# KiCad board Dashboard.kicad_pcb (continued)
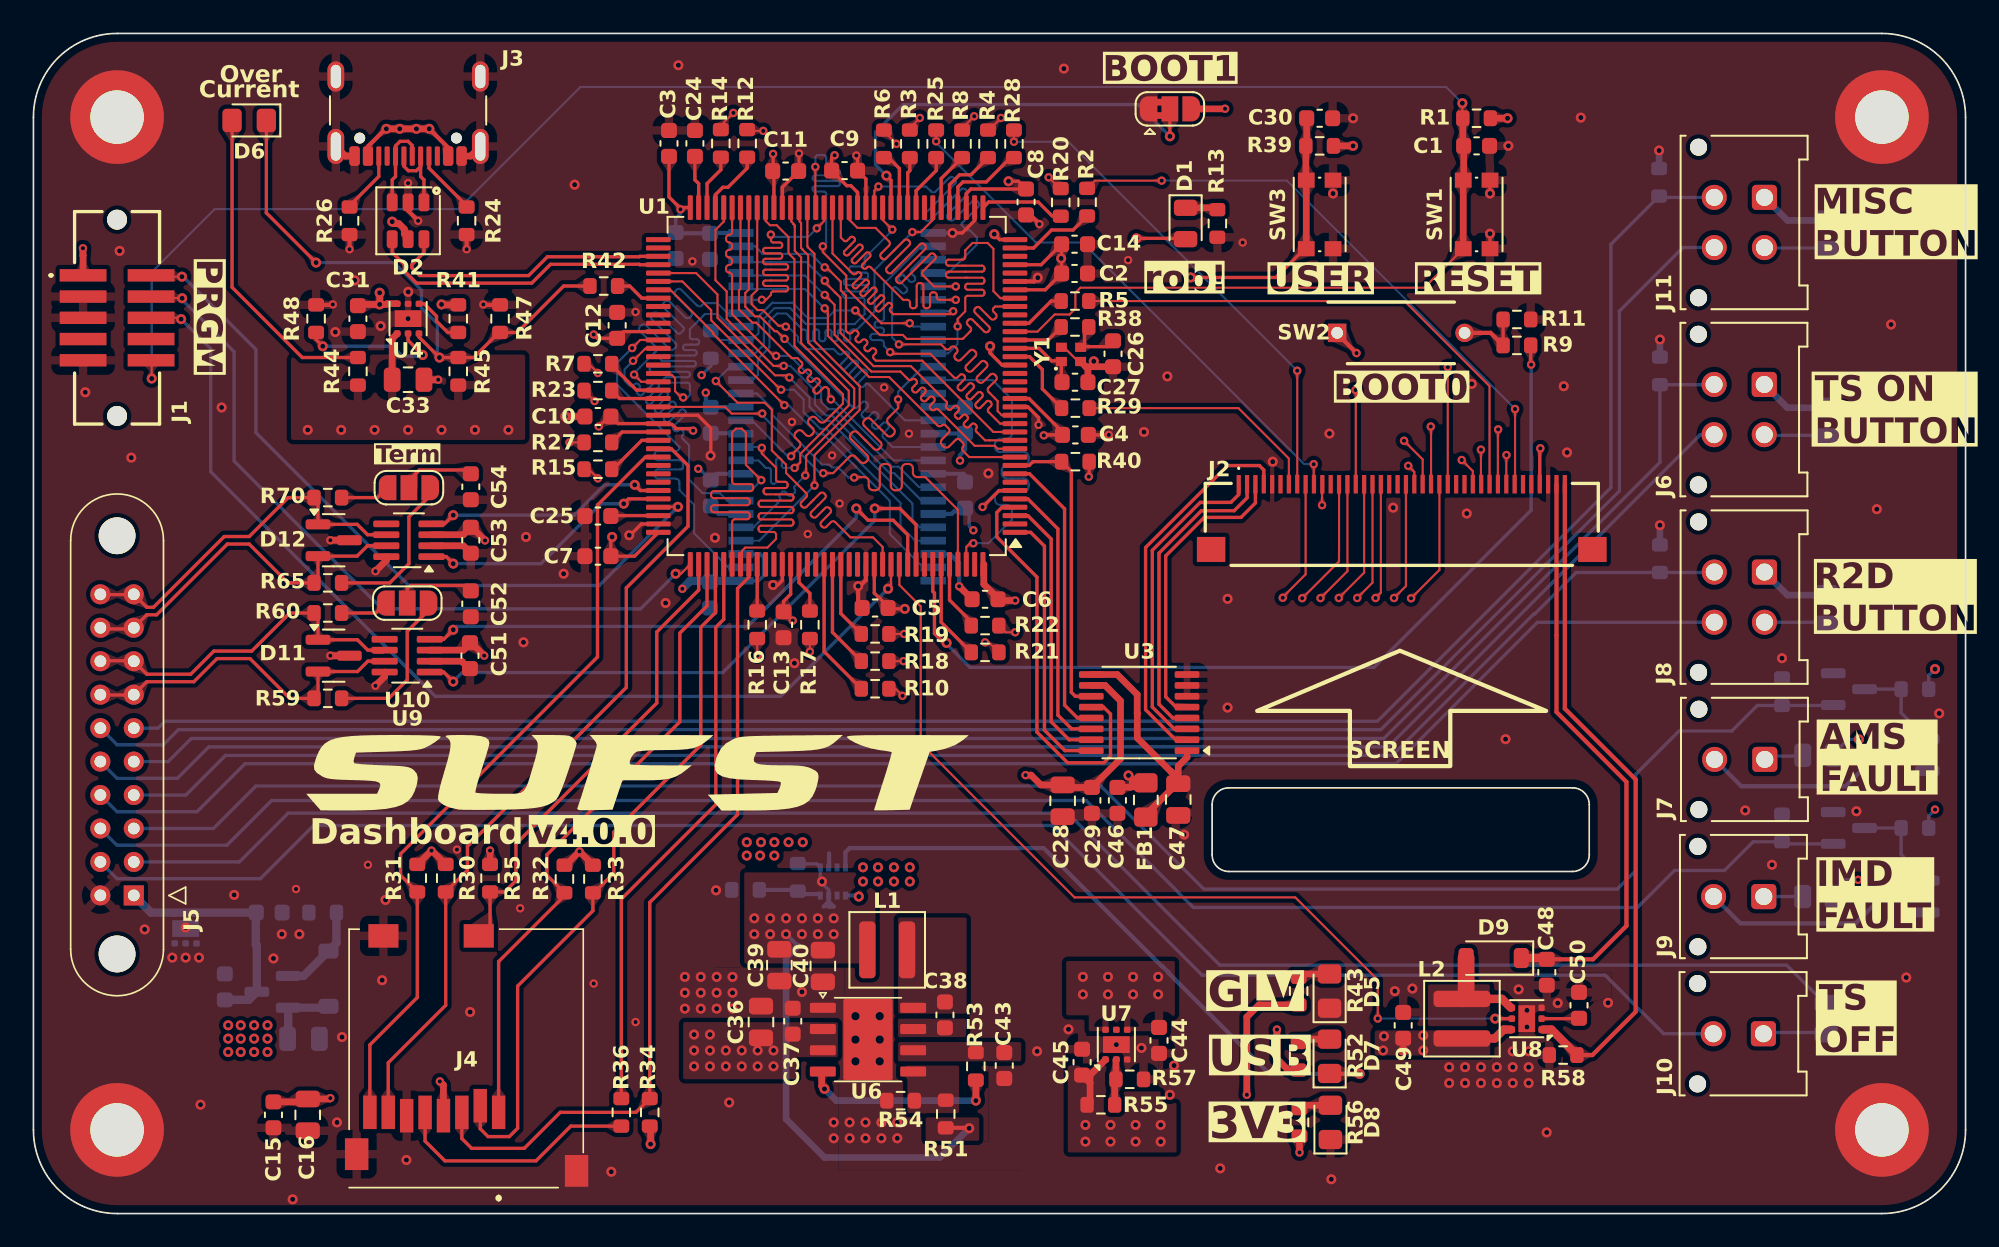
[diagram p0: board, top side]
## Footprints (pads in the part's own frame, mm; a bottom-side part is the same pattern mirrored in y, then rotated) (continued)
M80-5102042
  round 2.2 hole 2.2 unplated: (-3.5,1) (21.5,1)
  rect 1.2x1.2 hole 0.7: 1(0,0)
  round 1.2 hole 0.7: 2(2,0) 3(4,0) 4(6,0) 5(8,0) 6(10,0) 7(12,0) 8(14,0) 9(16,0) 10(18,0) 11(0,2) 12(2,2) 13(4,2) 14(6,2) 15(8,2) 16(10,2) 17(12,2) 18(14,2) 19(16,2) 20(18,2)
MEM20610118800A
  rect 1.8x1.4 smd: CD1(6.51,10.55) CD2(0.81,10.55)
  rect 1.4x1.9 smd: G1(12.36,-3.5) G2(-0.79,-2.5)
  rect 0.8x2 smd: P1(7.7,0) P2(6.6,0.4) P3(5.5,0) P4(4.4,-0.2) P5(3.3,0) P6(2.2,-0.2) P7(1.1,0) P8(0,0)
Molex_Micro-Fit_3.0_43045-0212_2x01_P3.00mm_Vertical
  round 1.02 hole 1.02 unplated: (-3,-3.94) (3,-3.94)
  rrect 1.5x1.5 hole 1.02: 1(0,0)
  round 1.5 hole 1.02: 2(0,-3)
Molex_Micro-Fit_3.0_43045-0412_2x02_P3.00mm_Vertical
  round 1.02 hole 1.02 unplated: (-3,-3.94) (6,-3.94)
  rrect 1.5x1.5 hole 1.02: 1(0,0)
  round 1.5 hole 1.02: 2(3,0) 3(0,-3) 4(3,-3)
MountingHole_3.2mm_M3_DIN965_Pad_TopBottom
  round 3.6 hole 3.2: 1(0,0)
  round 5.6 smd: 1(0,0)
  round 5.6 smd far side: 1(0,0)
R_0603_1608Metric
  rrect 0.8x0.95 smd: 1(-0.825,0) 2(0.825,0)
R_0805_2012Metric
  rrect 1.025x1.4 smd: 1(-0.912,0) 2(0.912,0)
Resonator_SMD_ECS_ECX-1247Q_1.6x1.2x0.3mm
  rect 0.65x0.55 smd: 1(-0.575,-0.425) 2(0.575,-0.425) 3(0.575,0.425) 4(-0.575,0.425)
SHF10501LDSMLC
  round 1.19 hole 1.19 unplated: (-5.867,0) (5.867,0)
  rect 0.74x2.795 smd: 1(-2.54,-2.033) 2(-2.54,2.033) 3(-1.27,-2.033) 4(-1.27,2.033) 5(0,-2.033) 6(0,2.033) 7(1.27,-2.033) 8(1.27,2.033) 9(2.54,-2.033) 10(2.54,2.033)
SolderJumper-3_P1.3mm_Bridged2Bar12_RoundedPad1.0x1.5mm
  custom 1.05x1.5 smd: 1(-1.3,0) 3(1.3,0)
  rect 1x1.5 smd: 2(0,0)
SolderJumper-3_P1.3mm_Open_RoundedPad1.0x1.5mm
  custom 1.05x1.5 smd: 1(-1.3,0) 3(1.3,0)
  rect 1x1.5 smd: 2(0,0)
SOT-23
  rrect 1.475x0.6 smd: 1(-0.938,0.95) 2(-0.938,-0.95) 3(0.938,0)
SOT-23-6
  rrect 1.06x0.65 smd: 1(-1.1,0.95) 2(-1.1,0) 3(-1.1,-0.95) 4(1.1,-0.95) 5(1.1,0) 6(1.1,0.95)
SOT-23-8_Handsoldering
  rrect 1.56x0.4 smd: 1(-1.35,0.98) 2(-1.35,0.33) 3(-1.35,-0.33) 4(-1.35,-0.98) 5(1.35,-0.98) 6(1.35,-0.33) 7(1.35,0.33) 8(1.35,0.98)
SOTFL50P160X60-8N
  rect 0.475x0.3 smd: 1(-0.838,0.75) 2(-0.838,0.25) 3(-0.838,-0.25) 4(-0.838,-0.75) 5(0.838,-0.75) 6(0.838,-0.25) 7(0.838,0.25) 8(0.838,0.75)
SW_Push_1P1T_NO_CK_KMR2
  rect 0.9x1 smd: 1(-2.05,0.8) 1(2.05,0.8) 2(-2.05,-0.8) 2(2.05,-0.8)
TSOP-II-54_22.2x10.16mm_P0.8mm
  rect 1.51x0.458 smd: 1(-5.75,10.4) 2(-5.75,9.6) 3(-5.75,8.8) 4(-5.75,8) 5(-5.75,7.2) 6(-5.75,6.4) 7(-5.75,5.6) 8(-5.75,4.8) 9(-5.75,4) 10(-5.75,3.2) 11(-5.75,2.4) 12(-5.75,1.6) 13(-5.75,0.8) 14(-5.75,0) 15(-5.75,-0.8) 16(-5.75,-1.6) 17(-5.75,-2.4) 18(-5.75,-3.2) 19(-5.75,-4) 20(-5.75,-4.8) 21(-5.75,-5.6) 22(-5.75,-6.4) 23(-5.75,-7.2) 24(-5.75,-8) 25(-5.75,-8.8) 26(-5.75,-9.6) 27(-5.75,-10.4) 28(5.75,-10.4) 29(5.75,-9.6) 30(5.75,-8.8) 31(5.75,-8) 32(5.75,-7.2) 33(5.75,-6.4) 34(5.75,-5.6) 35(5.75,-4.8) 36(5.75,-4) 37(5.75,-3.2) 38(5.75,-2.4) 39(5.75,-1.6) 40(5.75,-0.8) 41(5.75,0) 42(5.75,0.8) 43(5.75,1.6) 44(5.75,2.4) 45(5.75,3.2) 46(5.75,4) 47(5.75,4.8) 48(5.75,5.6) 49(5.75,6.4) 50(5.75,7.2) 51(5.75,8) 52(5.75,8.8) 53(5.75,9.6) 54(5.75,10.4)
TSSOP-16_4.4x5mm_P0.65mm
  rrect 1.475x0.4 smd: 1(-2.862,2.275) 2(-2.862,1.625) 3(-2.862,0.975) 4(-2.862,0.325) 5(-2.862,-0.325) 6(-2.862,-0.975) 7(-2.862,-1.625) 8(-2.862,-2.275) 9(2.862,-2.275) 10(2.862,-1.625) 11(2.862,-0.975) 12(2.862,-0.325) 13(2.862,0.325) 14(2.862,0.975) 15(2.862,1.625) 16(2.862,2.275)
USB_C_Receptacle_GCT_USB4105-xx-A_16P_TopMnt_Horizontal
  round 0.65 hole 0.65 unplated: (-2.89,2.605) (2.89,2.605)
  rrect 0.6x1.15 smd: A1(-3.2,3.68) A4(-2.4,3.68) A9(2.4,3.68) A12(3.2,3.68) B1(3.2,3.68) B4(2.4,3.68) B9(-2.4,3.68) B12(-3.2,3.68)
  rrect 0.3x1.15 smd: A5(-1.25,3.68) A6(-0.25,3.68) A7(0.25,3.68) A8(1.25,3.68) B5(1.75,3.68) B6(0.75,3.68) B7(-0.75,3.68) B8(-1.75,3.68)
  oval 1x2.1 hole 0.6x1.7: S1(-4.32,3.105) S1(4.32,3.105)
  oval 1x1.8 hole 0.6x1.4: S1(-4.32,-1.075) S1(4.32,-1.075)
WSON-6-1EP_2x2mm_P0.65mm_EP1x1.6mm
  rrect 0.81x0.64 smd: (0,0.4) (0,-0.4)
  rrect 0.375x0.4 smd: 1(-0.887,0.65) 2(-0.887,0) 3(-0.887,-0.65) 4(0.887,-0.65) 5(0.887,0) 6(0.887,0.65)
  rect 1x1.6 smd: 7(0,0)
XF2M40151A
  rect 0.25x1.1 smd: 1(-9.75,2.4) 2(-9.25,2.4) 3(-8.75,2.4) 4(-8.25,2.4) 5(-7.75,2.4) 6(-7.25,2.4) 7(-6.75,2.4) 8(-6.25,2.4) 9(-5.75,2.4) 10(-5.25,2.4) 11(-4.75,2.4) 12(-4.25,2.4) 13(-3.75,2.4) 14(-3.25,2.4) 15(-2.75,2.4) 16(-2.25,2.4) 17(-1.75,2.4) 18(-1.25,2.4) 19(-0.75,2.4) 20(-0.25,2.4) 21(0.25,2.4) 22(0.75,2.4) 23(1.25,2.4) 24(1.75,2.4) 25(2.25,2.4) 26(2.75,2.4) 27(3.25,2.4) 28(3.75,2.4) 29(4.25,2.4) 30(4.75,2.4) 31(5.25,2.4) 32(5.75,2.4) 33(6.25,2.4) 34(6.75,2.4) 35(7.25,2.4) 36(7.75,2.4) 37(8.25,2.4) 38(8.75,2.4) 39(9.25,2.4) 40(9.75,2.4)
  rect 1.7x1.5 smd: MP1(-11.4,-1.5) MP2(11.4,-1.5)

## Nets
+3.3VA: C47.1 FB1.2 U3.1 U3.9
+3V3: C2.1 C3.1 C4.1 C5.1 C6.1 C7.1 C8.1 C9.1 C10.1 C11.1 C12.1 C13.1 C14.1 C15.1 C16.1 C17.2 C18.1 C19.1 C20.1 C21.1 C22.1 C23.2 C28.1 C29.1 C45.1 C46.1 C51.2 C53.2 FB1.1 J1.1 J2.37 J4.P4 JP3.3 R1.2 R30.2 R31.2 R32.2 R33.2 R34.2 R35.2 R37.2 R39.2 R40.2 R55.1 R56.1 SW2.1 U1.6 U1.17 U1.30 U1.33 U1.39 U1.52 U1.62 U1.72 U1.84 U1.95 U1.108 U1.121 U1.131 U1.144 U2.1 U2.3 U2.9 U2.14 U2.27 U2.43 U2.49 U3.10 U7.1 U9.3 U10.3
+5V: C44.1 C49.1 L2.1 R52.1 U5.2 U5.7 U7.4 U7.6 U8.6
+5V_REG: C39.1 C40.1 L1.2 R49.2 R51.2 U5.3 U5.5
+5V_USB: C31.1 D2.5 J3.A4 J3.A9 J3.B4 J3.B9 R41.2 U4.6
+5V_USB_PROT: C33.1 R44.1 R45.1 U4.1 U5.6
/Power/VCC: C43.1 R53.2 U6.6
GND: C1.1 C2.2 C3.2 C4.2 C5.2 C6.2 C7.2 C8.2 C9.2 C10.2 C11.2 C12.2 C13.2 C14.2 C15.2 C16.2 C17.1 C18.2 C19.2 C20.2 C21.2 C22.2 C23.1 C24.2 C25.2 C26.2 C27.2 C28.2 C29.2 C30.1 C31.2 C32.2 C33.2 C34.2 C35.2 C36.2 C37.2 C39.2 C40.2 C43.2 C44.2 C45.2 C46.2 C47.2 C48.2 C49.2 C50.2 C51.1 C52.2 C53.1 C54.2 D2.2 D5.1 D8.1 D11.3 D12.3 H1.1 H2.1 H3.1 H4.1 J1.3 J1.5 J1.9 J2.5 J2.38 J3.A1 J3.A12 J3.B1 J3.B12 J3.S1 J4.CD2 J4.G1 J4.G2 J4.P6 J5.11 JP3.1 Q2.2 Q3.2 Q4.2 Q5.2 R11.2 R13.2 R24.1 R26.1 R46.1 R47.2 R48.1 R50.1 R54.1 R57.2 R58.2 R63.2 R64.2 R73.1 R74.1 R75.1 SW1.2 SW3.2 U1.16 U1.31 U1.38 U1.51 U1.61 U1.83 U1.94 U1.107 U1.120 U1.130 U2.6 U2.12 U2.28 U2.41 U2.46 U2.52 U2.54 U3.6 U3.7 U3.8 U4.5 U4.7 U5.1 U6.1 U6.TP U7.3 U7.7 U8.3 U8.7 U9.2 U9.8 U10.2 U10.8 U11.1 U11.2 U11.3 U11.7 Y1.2 Y1.4
+GLV: C34.1 C35.1 J5.1 Q1.3 U11.4 U11.5 U11.6
+GLV_PROT: C32.1 C36.1 C37.1 D3.1 J6.1 J8.1 J11.1 Q1.2 R43.1 R61.1 R62.1 R66.1 R67.1 R68.1 R69.1 R72.1 U6.2 U6.3
/I/O/AMS.LED.SIG: J5.3 Q4.1 R63.1
/I/O/AMS_LED_SCS: J7.2 Q2.3
/I/O/CAN1_RX: U1.103 U10.4
/I/O/CAN1_TX: U1.104 U10.1
/I/O/CAN2_RX: U1.135 U9.4
/I/O/CAN2_TX: U1.136 U9.1
/I/O/CAN.C+: D11.2 J5.7 J5.17 R59.2 U9.7
/I/O/CAN.C-: D11.1 J5.8 J5.18 R60.1 U9.6
/I/O/CAN.F+: D12.2 J5.9 J5.19 R65.2 U10.7
/I/O/CAN.F-: D12.1 J5.10 J5.20 R70.1 U10.6
/I/O/IMD.LED.SIG: J5.13 Q5.1 R64.1
/I/O/IMD_LED_SCS: J9.2 Q3.3
/I/O/R2D.BUTTON.GND: J5.4 J8.3 R74.2
/I/O/R2D.LED.GND: J5.14 J8.4
/I/O/SPARE.BUTTON.GND: J5.6 J11.3 R75.2
/I/O/SPARE.LED.GND: J5.16 J11.4
/I/O/TS.ON.BUTTON.GND: J5.5 J6.3 R73.2
/I/O/TS.ON.LED.GND: J5.15 J6.4
/I/O/TSAL.DASH.EXC: J5.2 R71.1
/I/O/TSAL.GREEN.DASH.LED.GND: J5.12 J10.2
/MCU/BOOT0: R9.1 U1.138
/MCU/BOOT1: JP3.2 U1.48
/MCU/LCD_B2: R17.1 U1.122
/MCU/LCD_B3: R18.1 U1.126
/MCU/LCD_B4: R19.1 U1.127
/MCU/LCD_B5: R20.1 U1.37
/MCU/LCD_B6: R21.1 U1.139
/MCU/LCD_B7: R22.1 U1.140
/MCU/LCD_DCLK: R23.1 U1.92
/MCU/LCD_DE: R29.1 U1.22
/MCU/LCD_DISP: R25.1 U1.45
/MCU/LCD_G2: R8.1 U1.42
/MCU/LCD_G3: R10.1 U1.125
/MCU/LCD_G4: R12.1 U1.69
/MCU/LCD_G5: R14.1 U1.70
/MCU/LCD_G6: R15.1 U1.97
/MCU/LCD_G7: R16.1 U1.117
/MCU/LCD_HSYNC: R27.1 U1.96
/MCU/LCD_R2: R2.1 U1.35
/MCU/LCD_R3: R3.1 U1.46
/MCU/LCD_R4: R4.1 U1.41
/MCU/LCD_R5: R5.1 U1.26
/MCU/LCD_R6: R6.1 U1.47
/MCU/LCD_R7: R7.1 U1.91
/MCU/LCD_VSYNC: R28.1 U1.40
/MCU/LCD_XL: J2.2 U3.4
/MCU/LCD_XR: J2.4 U3.2
/MCU/LCD_YD: J2.3 U3.5
/MCU/LCD_YU: J2.1 U3.3
/MCU/nRESET: C1.2 J1.10 R1.1 SW1.1 U1.25
/MCU/OSC_IN: C27.1 U1.23 Y1.1
/MCU/OSC_OUT: R38.1 U1.24
/MCU/RAM_A0: U1.10 U2.23
/MCU/RAM_A1: U1.11 U2.24
/MCU/RAM_A2: U1.12 U2.25
/MCU/RAM_A3: U1.13 U2.26
/MCU/RAM_A4: U1.14 U2.29
/MCU/RAM_A5: U1.15 U2.30
/MCU/RAM_A6: U1.50 U2.31
/MCU/RAM_A7: U1.53 U2.32
/MCU/RAM_A8: U1.54 U2.33
/MCU/RAM_A9: U1.55 U2.34
/MCU/RAM_A10: U1.56 U2.22
/MCU/RAM_A11: U1.57 U2.35
/MCU/RAM_BA0: U1.89 U2.20
/MCU/RAM_BA1: U1.90 U2.21
/MCU/RAM_CAS: U1.132 U2.17
/MCU/RAM_CKE: U1.29 U2.37
/MCU/RAM_CLK: U1.93 U2.38
/MCU/RAM_CS/NE: R37.1 U1.28 U2.19
/MCU/RAM_D0: U1.85 U2.2
/MCU/RAM_D1: U1.86 U2.7
/MCU/RAM_D2: U1.114 U2.8
/MCU/RAM_D3: U1.115 U2.11
/MCU/RAM_D4: U1.58 U2.4
/MCU/RAM_D5: U1.59 U2.5
/MCU/RAM_D6: U1.60 U2.10
/MCU/RAM_D7: U1.63 U2.13
/MCU/RAM_D8: U1.64 U2.42
/MCU/RAM_D9: U1.65 U2.44
/MCU/RAM_D10: U1.66 U2.45
/MCU/RAM_D11: U1.67 U2.47
/MCU/RAM_D12: U1.68 U2.48
/MCU/RAM_D13: U1.77 U2.50
/MCU/RAM_D14: U1.78 U2.51
/MCU/RAM_D15: U1.79 U2.53
/MCU/RAM_NBL0: U1.141 U2.15
/MCU/RAM_NBL1: U1.142 U2.39
/MCU/RAM_RAS: U1.49 U2.18
/MCU/RAM_WE: U1.43 U2.16
/MCU/rob_led!: D1.2 U1.36
/MCU/SD_CARD_DETECT: J4.CD1 R35.1 U1.110
/MCU/SD_CK: R36.2 U1.113
/MCU/SD_CMD: J4.P3 R34.1 U1.116
/MCU/SD_D0: J4.P7 R30.1 U1.98
/MCU/SD_D1: J4.P8 R31.1 U1.99
/MCU/SD_D2: J4.P1 R32.1 U1.111
/MCU/SD_D3: J4.P2 R33.1 U1.112
/MCU/SPI_CS: U1.3 U3.15
/MCU/SPI_MISO: U1.4 U3.12
/MCU/SPI_MOSI: U1.5 U3.14
/MCU/SPI_SCK: U1.1 U3.16
/MCU/SWCLK: J1.4 U1.109
/MCU/SWDIO: J1.2 U1.105
/MCU/SWO: J1.6 U1.133
/MCU/TOUCH_BUSY: U1.8 U3.13
/MCU/TOUCH_IRQ: R40.1 U1.9 U3.11
/MCU/USB_D+: D2.4 U1.76
/MCU/USB_D-: D2.6 U1.75
/MCU/user_button: C30.2 R39.1 SW3.1 U1.21
/Power/FAULT_LED: D6.1 R42.2 R45.2 R47.1 U4.3
/Power/FB: R51.1 R54.2 U6.5
/Power/SW: C38.2 L1.1 U6.8
/Power/USB_LED: D7.1 U5.8
BACKLIGHT_A: C48.1 D9.1 J2.39
BACKLIGHT_K: J2.40 R58.1 U8.1
BACKLIGHT_PWM: U1.134 U8.5
~{USB_FAULT}: R42.1 U1.80
Net-(C26-Pad1): C26.1 R38.2 Y1.3
Net-(D1-K): D1.1 R13.1
Net-(D2-L1-Pad1): D2.1 J3.A7 J3.B7
Net-(D2-L2-Pad3): D2.3 J3.A6 J3.B6
Net-(D3-A): D3.2 Q1.1 R46.2
Net-(D5-A): D5.2 R43.2
Net-(D6-A): D6.2 R44.2
Net-(D7-A): D7.2 R52.2
Net-(D8-A): D8.2 R56.2
Net-(D9-A): D9.2 L2.2 U8.4
Net-(J2-Pin_7): J2.7 R29.2
Net-(J2-Pin_8): J2.8 R28.2
Net-(J2-Pin_9): J2.9 R27.2
Net-(J2-Pin_10): J2.10 R25.2
Net-(J2-Pin_11): J2.11 R23.2
Net-(J2-Pin_13): J2.13 R22.2
Net-(J2-Pin_14): J2.14 R21.2
Net-(J2-Pin_15): J2.15 R20.2
Net-(J2-Pin_16): J2.16 R19.2
Net-(J2-Pin_17): J2.17 R18.2
Net-(J2-Pin_18): J2.18 R17.2
Net-(J2-Pin_21): J2.21 R16.2
Net-(J2-Pin_22): J2.22 R15.2
Net-(J2-Pin_23): J2.23 R14.2
Net-(J2-Pin_24): J2.24 R12.2
Net-(J2-Pin_25): J2.25 R10.2
Net-(J2-Pin_26): J2.26 R8.2
Net-(J2-Pin_29): J2.29 R7.2
Net-(J2-Pin_30): J2.30 R6.2
Net-(J2-Pin_31): J2.31 R5.2
Net-(J2-Pin_32): J2.32 R4.2
Net-(J2-Pin_33): J2.33 R3.2
Net-(J2-Pin_34): J2.34 R2.2
Net-(J3-CC1): J3.A5 R24.2
Net-(J3-CC2): J3.B5 R26.2
Net-(J4-CLK): J4.P5 R36.1
Net-(J6-Pin_2): J6.2 R66.2
Net-(J7-Pin_1): J7.1 R67.2
Net-(J8-Pin_2): J8.2 R69.2
Net-(J9-Pin_1): J9.1 R68.2
Net-(J10-Pin_1): J10.1 R71.2
Net-(J11-Pin_2): J11.2 R72.2
Net-(JP1-A): JP1.1 R60.2
Net-(JP1-B): JP1.3 R59.1
Net-(JP1-C): C52.1 JP1.2
Net-(JP2-A): JP2.1 R70.2
Net-(JP2-B): JP2.3 R65.1
Net-(JP2-C): C54.1 JP2.2
Net-(Q2-G): Q2.1 Q4.3 R61.2
Net-(Q3-G): Q3.1 Q5.3 R62.2
Net-(SW2-B): R9.2 R11.1 SW2.2
Net-(U1-VCAP_1): C24.1 U1.71
Net-(U1-VCAP_2): C25.1 U1.106
Net-(U4-EN): R41.1 U4.4
Net-(U4-ILIM): R48.2 U4.2
Net-(U5-PR1): R49.1 R50.2 U5.4
Net-(U6-BOOT): C38.1 U6.7
Net-(U7-FB): R55.2 R57.1 U7.2
Net-(U8-COMP): C50.1 U8.2

Pads without a net: J1 7 8; J2 6 12 19 20 27 28 35 36 MP1 MP2; J3 A8 B8; R53 1; U1 2 7 18 19 20 27 32 34 44 73 74 81 82 87 88 100 101 102 118 119 123 124 128 129 137 143; U2 36 40; U6 4; U7 5; U9 5; U10 5

## Via types
v1: diameter 0.6, hole 0.3, Top to Bottom, 264 vias
v2: diameter 0.5, hole 0.25, Top to Bottom, 158 vias
v3: diameter 0.8, hole 0.5, Top to Bottom, 6 vias

## Routing (per net, layer and track width the routed paths; a pad name or vN(x,y) marks a point on that pad's centre or on a via; arc(x,y) is an arc through that point)
+3.3VA: length 15.3
  Top w0.4: 68.97,27.38 68.97,27.27 68.45,26.75 C47.1 68.24,25.91 68.24,26.19 68.03,26.41 68.03,26.42 ; FB1.2 66.51,23.84 68.01,25.34 68.01,25.55 68.45,25.99 66,28.44 66,29.91 66,29.91 66,31.03 64.8,32.22 U3.9
  Top w0.5: 68.01,25.46 68.01,25.55
+3V3: length 136.9
  Top w0.2: 58.71,48.75 U1.17 59.53,48.72 61.53,46.72 C4.1 60.44,46.55 v2(60.41,46.52) ; U1.33 60.25,56.72 C14.1 C2.1 60.5,55.22 U1.30 ; U1.39 55.78,60.97 56.05,61.25 C8.1 58.89,61.71 v1(58.3,61.71) ; U1.52 49.28,61.05 48.88,61.45 48.62,61.45 C9.1 47.72,63.11 47.73,63.11 47.75,63.11 v2(47.9,63.27) ; U1.62 44.28,62.25 C11.1 44.22,62.35 v2(44.22,63.35) ; v2(45.4,35.45) 45.38,35.45 C13.1 44.85,36.6 45.28,37.02 U1.121 ; v2(56.75,42.24) 57.74,43.22 U1.6 ; R40.2 63.12,44.07 v2(63.1,44.05) ; v2(90.1,45.75) 90.06,45.71 J2.37 ; U1.72 38.79,60.14 v2(38.69,60.04) 38.69,60.09 38,60.77 38,63.22 ; v2(33.5,52.55) 33.75,52.3 33.9,52.3 33.93,52.32 C12.1 35.3,52.72 U1.84 ; 45.23,36.2 45,35.97 ; v1(34.6,40.45) 34.53,40.38 C7.1 35.94,39.3 U1.108 ; v2(39.44,46.8) 39.42,46.8 39.3,46.92 38.4,46.92 38.4,46.96 38.18,47.18 37.41,47.18 U1.95 34.95,47.22 C10.1 34.4,47.65 v2(33.8,47.05) ; U1.131 50.28,37.1 51.1,36.27 C5.1 51.15,36.15 v1(52.1,36.15)
  Top w0.254: v2(79.11,51.44) 77.95,52.6 SW2.1
  Top w0.4: C15.1 16.23,6.67 C16.1 17.7,6.85 v2(17.75,6.9) ; J1.1 2.97,57.27 2.96,57.27 v2(2.96,57.71) ; R31.2 22.97,20.88 v2(23.8,21.7) 23.83,21.7 R30.2 ; 65.58,25.49 64.8,25.49 ; 65.58,25.49 65.7,25.61 65.7,25.96 v1(65.47,26.19) ; 65.58,25.49 65.6,25.51 66.51,25.51 ; v2(59.32,26.21) 59.65,26.21 60.24,25.62 C28.1 61.69,25.47 C29.1 65,27.19 65,30.65 64.08,31.57 U3.10 ; v2(71.25,66.05) 71.24,66.04 JP3.3 ; v1(78.91,63.83) R39.2 ; v2(58.7,36.65) 57.8,36.65 56.83,37.62 56.83,38.81 ; 75.7,4.62 v2(75.7,3.65) ; v2(26.95,33.35) 26.22,34.08 26.1,34.08 25.71,33.68 U9.3 ; 87.12,65.48 v1(88.14,65.48) ; 63.18,7.8 63.18,6.68 R55.1 ; 63.18,7.8 63.18,8.27 64.1,9.2 ; 63.18,7.8 C45.1 ; R33.2 33.45,20.85 v2(32.65,21.65) 31.83,20.82 R32.2 ; v2(27.3,21.7) R35.2 ; v2(27,40.24) 26.21,41.03 C53.2 25.71,40.58 U10.3 ; v2(24.3,7.9) 24.52,7.68 J4.P4 ; v1(36.9,4.15) 36.9,5.17 R34.2
  Bottom w0.2: v2(39.95,50.12) 40.5,50.67 40.5,51.12 ; v2(56.2,40.85) 55.95,41.1 55.95,42.15 ; U2.1 43.35,37.82 43.65,38.12 43.65,39.22 43.45,39.42 U2.3 ; C20.1 39.83,44.52 v2(39.75,44.52) ; v2(38.69,60.04) 38.69,59.79 38.4,59.5 C17.2
  Bottom w0.25: C20.1 40.88,44.22 U2.9 ; U2.43 55.68,46.62 C22.1 55.7,45.65 55.4,45.35 v2(55.4,45.01) ; U2.27 40.47,58.62 C18.1 38.62,58.6 38.4,58.82 ; v2(40.2,49.07) 40.2,48.27 40.28,48.2 C19.1 42.28,48.2 U2.14 ; 55.95,41.97 55.05,41.97 54.9,41.82 U2.49
  Bottom w0.5: U2.1 39.28,37.82 v2(38.8,37.35)
  vias: v1(61.45,57.1) v1(62.9,5.3) v1(62.9,4.3) v1(64.4,5.3) v1(64.4,4.3) v1(65.9,5.3) v1(65.9,4.3) v1(67.4,5.3) v1(67.4,4.3)
+5V: length 6.5
  Top w0.4: v2(74.35,11) 74.35,9.25 75.03,8.57 R52.1
  Top w0.5: 85.4,10.47 L2.1 87.38,10.46 87.91,11 88.34,11
  vias: v1(49.6,20.7) v1(49.6,19.85) v1(50.5,20.7) v1(50.5,19.85) v1(51.45,20.7) v1(51.45,19.85) v1(52.4,20.7) v1(52.4,19.85) v1(62.75,14.15) v1(62.75,13.1) v1(64.25,14.15) v1(64.25,13.1) v1(65.75,14.15) v1(65.75,13.1) v1(67.25,14.15) v1(67.25,13.1) v1(80.75,10.6) v1(80.7,9.75) v1(81.9,9.75) v1(83.1,10.65) v1(83.1,9.75)
+5V_REG: length 30.6
  Top w0.254: 54.55,5.12 55.93,5.12 v1(55.95,5.1)
  Bottom w0.2: U5.3 47.55,19.35 47.05,19.85 U5.5 46.84,20.9 45.72,20.9 R49.2
  Bottom w0.254: 45.7,16 v1(45,16.7) ; 47.55,18.65 47.85,18.35 47.5,18.35 ; 47.55,18.65 47.25,18.35 ; 47.55,18.65 U5.3
  Bottom w0.4: 45.7,16 45,15.3 45,5.65 47.3,3.35 54.2,3.35 v1(55.95,5.1)
  vias: v1(43.1,17.65) v1(43.1,16.7) v1(44.05,17.65) v1(44.05,16.7) v1(45,17.65) v1(45.95,17.65) v1(45.95,16.7) v1(46.9,17.65) v1(46.9,16.7) v1(47.15,19.85) v1(47.85,17.65) v1(47.85,16.7)
+5V_USB: length 12.5
  Top w0.254: 21.06,64.85 20,63.79 J3.A9 ; v1(23.67,64.85) 24.8,63.72 J3.A4
  Top w0.4: v1(20.7,54.35) 19.47,54.35 19.4,54.27 ; v1(20.7,54.35) 21.1,54.35 21.15,54.4 21.75,54.4 ; v1(20.7,54.35) v1(20.7,55.05) ; v1(23.67,64.85) v1(22.9,64.85) v1(21.9,64.85) v1(21.1,64.85) 21.06,64.85 ; v1(21.45,59.3) 21.57,59.18 21.85,59.18 22.18,58.86 22.18,58.57 22.4,58.35 D2.5 ; v1(24.4,54.35) 24.43,54.32 R41.2
+5V_USB_PROT: length 3.7
  Top w0.4: 21.75,52.6 21.45,52.3 C33.1
  Bottom w0.254: 47.57,21.53 47.57,20.71 U5.6
  vias: v1(16.4,46.85) v1(18.4,46.85) v1(20.4,46.85) v1(22.4,46.85) v1(24.4,46.85) v1(26.4,46.85) v1(28.4,46.85) v1(42.65,22.2) v1(42.65,21.4) v1(43.5,22.2) v1(43.45,21.4) v1(44.3,22.2) v1(44.3,21.4) v1(45.15,22.2) v1(46,22.2)
GND: length 70.5
  Top w0.127: Y1.4 61.55,51.7 61.71,51.7 62.43,50.97 62.58,50.97 Y1.2
  Top w0.2: 37.31,47.77 U1.94 39.72,47.72 40.5,46.95 40.5,45.32 v1(40.49,45.31) ; U1.16 59.46,48.22 60.1,47.58 v2(60.1,47.15) ; v2(49.2,63.25) 49.28,63.17 C9.2 49.78,61.85 U1.51 ; v1(87.09,58.58) SW1.2 ; C4.2 v2(64.3,46.55) ; U1.61 44.78,61.35 C11.2 45.78,62.35 v2(45.78,63.37) ; v1(54.95,58.62) 55.53,58.62 56.28,59.37 U1.38 ; SW1.2 v1(87.09,60.98) ; U1.120 44.78,37.85 44.5,37.57 v1(44.22,37.57) ; U1.107 36.35,41.22 35.68,40.55 v1(35.62,40.55)
  Top w0.254: v2(26.9,54.35) 26.93,54.32 R47.2 ; R26.1 v2(18.9,57.65) ; C5.2 49.31,36.44 v1(49.31,37.51) 49.41,37.51 49.78,37.88 U1.130 ; v1(60.05,55.95) 59.83,55.72 U1.31 ; R48.1 17.88,54.32 v2(17.9,54.35) ; v2(23,59.35) 22.4,59.95 D2.2 ; v2(60.15,59.15) 59.6,59.7 C8.2 ; R24.1 v2(25.9,57.65)
  Top w0.4: 62.93,50.62 63.05,50.5 C27.2 ; 62.93,50.62 Y1.2 ; 62.93,50.62 64.55,50.62 ; 56.18,36.72 C6.2 v2(55.35,37.5) ; v2(24.2,49.85) C33.2 ; U9.2 25.61,33.02 26.1,32.53 ; U10.8 21.1,39.05 v2(20.45,38.4) ; U9.8 21,32.1 v2(20.45,31.55) ; C53.1 25.71,39.92 U10.2 ; C10.2 v1(31.8,47.65) ; J3.S1 18.66,63.22 J3.A12 ; J3.A1 26.15,63.22 J3.S1 ; D12.3 v2(17.75,40.25) ; D11.3 v2(17.75,33.35)
  Bottom w0.2: U2.28 v1(54.95,58.62)
  Bottom w0.25: C22.2 55.68,48.22 U2.41 ; 55.95,43.88 55.6,44.22 U2.46 ; 40.33,56.92 C18.2 ; C19.2 42.28,46.65 U2.12
  Bottom w0.254: C20.2 40.97,41.82 U2.6 ; U5.1 49.29,19.01 v1(49.35,18.95) ; U2.52 54.81,39.42 55.35,38.88 v2(55.35,37.5)
  Bottom w0.4: R73.1 v1(97.25,52.25) ; R74.1 v1(97.25,41.15) ; v1(97.2,63.55) R75.1
  vias: v1(3.1,49.1) v1(5.15,57.55) v1(5.85,45.19) v1(6.65,16.99) v1(8.3,15.3) v1(9.1,17.1) v1(9.1,15.3) v1(9.9,15.3) v1(9.99,6.51) v1(11.25,48.19) v1(12,19.05) v1(14.35,15.25) v1(14.85,16.7) v1(15.5,0.85) v1(15.9,16.7) v1(18.05,52.7) v1(18.15,5.45) v1(18.45,10.55) v1(19.21,55.79) v1(20.76,53.06) v1(20.85,13.95) v1(21.05,18.75) v1(22.3,3.2) v1(22.41,55.1) v1(22.4,53.5) v1(26.11,12.05) v1(29.3,34.15) v1(29.45,40.45) v1(31.7,38.25) v1(32.36,61.51) v1(34.55,2.5) v1(37.8,36.5) v1(38.56,68.65) v1(38.95,14.15) v1(38.95,13.2) v1(38.95,12.25) v1(39.9,14.15) v1(39.9,13.2) v1(39.9,12.25) v1(40.75,40.4) v1(40.81,19.32) v1(40.85,14.15) v1(40.85,13.2) v1(40.85,12.25) v1(41.6,6.64) v1(41.8,14.15) v1(41.8,13.2) v1(41.8,12.25) v1(45.5,32.9) v1(45.95,13.25) v1(47.85,5.45) v1(47.85,4.5) v1(48.8,5.45) v1(48.8,4.5) v1(49.75,5.45) v1(49.75,4.5) v1(50.7,5.45) v1(50.7,4.5) v1(51.65,5.45) v1(51.65,4.5) v1(57.1,44.25) v1(60.01,9.7) v1(61.61,68.45) v1(61.89,11.01) v1(63.4,50.95) v1(64.75,10.1) v1(66.25,9.9) v1(66.4,46.72) v1(67.8,50.05) v1(67.95,7.1) v1(68.2,8.85) v1(68.8,22.65) v1(70.96,2.7) v1(71.4,36.75) v1(71.4,30.25) v1(74.1,44.95) v1(77.49,46.63) v1(77.6,2.05) v1(77.71,60.98) v1(78.91,65.48) v1(81.3,42.2) v1(81.4,13.3) v1(82.45,13.45) v1(84.65,8.75) v1(84.65,7.8) v1(85.6,8.75) v1(85.6,7.8) v1(85.7,41.85) v1(86,49.6) v1(86.55,8.75) v1(86.55,7.8) v1(87.5,8.75) v1(87.5,7.8) v1(88.02,28.36) v1(88.19,63.83) v1(88.45,9.7) v1(88.45,8.75) v1(88.45,7.8) v1(88.8,13.4) v1(89.3,12.15) v1(89.3,11.15) v1(89.4,9.7) v1(89.4,8.75) v1(89.4,7.8) v1(90.48,4.85) v1(91.14,12.58) v1(91.5,49.46) v1(91.7,45.5) v1(92.52,65.52) v1(94.15,12.6) v1(102.35,24.1) v1(103.95,20.85) v1(104.55,33.2) v1(109,24.05) v1(110.22,42.11) v1(111.07,53.15) v1(111.98,14.11) v1(113.95,29.9) v2(15.7,19.4) v2(20,20.85) v2(22.4,61.6) v2(25.32,21.76) v2(29.1,18.25) v2(33.5,13.75) v2(36,53.9) v2(36,11.45) v2(39.4,56.92) v2(45.35,47.32) v2(46.3,40.62) v2(47.75,45.32) v2(48.2,42.45) v2(50.86,49.39) v2(52.35,46.62) v2(65.45,57) v2(72.3,58.05) v3(49.15,11.8) v3(49.15,10.4) v3(49.15,9.1) v3(50.6,11.8) v3(50.6,10.4) v3(50.6,9.1)
+GLV: length 14.6
  Bottom w0.5: C34.1 12.87,12.77 Q1.3 13.36,16.03 13.29,16.09 13.29,17.97 C35.1 7.03,17.99 J5.1
+GLV_PROT: length 35
  Top w0.4: v2(72.55,7.1) 72.55,11.75 73.28,12.47 R43.1
  Bottom w0.2: v2(113.7,24.15) 113.33,23.77 R62.1 ; R61.1 113.33,32.17 v1(113.7,32.55) ; v2(109.1,19.95) 108.35,19.95 107.35,18.95 107.33,18.95 ; v1(109.15,28.35) 108.5,28.35 107.8,27.65 107.53,27.65
  Bottom w0.4: v2(108.2,36.95) 107.22,36.95 107.2,36.97 104.88,36.97 J8.1 ; J11.1 104.88,59.37 107.2,59.37 107.22,59.35 v2(108.2,59.35) ; J6.1 103.49,49.56 104.88,48.17 107.2,48.17 107.22,48.2 v2(108.2,48.2)
  Bottom w0.5: C32.1 15.23,10.48 Q1.2 17.56,12.31 D3.1
  vias: v1(11.64,11.26) v1(11.64,10.46) v1(11.64,9.66) v1(12.39,11.26) v1(12.39,10.46) v1(12.39,9.66) v1(13.19,11.26) v1(13.19,10.46) v1(13.19,9.66) v1(13.99,11.26) v1(13.99,10.46) v1(13.99,9.66) v1(39.5,10.7) v1(39.5,9.75) v1(39.5,8.8) v1(40.45,10.7) v1(40.45,9.75) v1(40.45,8.8) v1(41.4,9.75) v1(41.4,8.8) v1(42.35,9.75) v1(42.35,8.8) v1(43.3,9.75) v1(43.3,8.8) v1(44.25,9.75) v1(44.25,8.8)
/I/O/AMS.LED.SIG: length 113.1
  Bottom w0.2: Q4.1 107.59,30.38 R63.1 103.08,30.38 101.55,28.85 98.4,28.85 95.8,26.25 95.8,20.5 94.7,19.4 69.98,19.4 63.82,25.56 13.3,25.56 10.76,23.02 J5.3
/I/O/AMS_LED_SCS: length 12.3
  Bottom w0.254: J7.2 102.12,25.55 108.36,25.55 110.22,27.41 Q2.3
/I/O/CAN1_RX: length 14.7
  Top w0.2: v1(25.1,41.75) 24.58,41.23 U10.4 ; U1.103 36.29,43.22 v1(35.95,43.56)
  Bottom w0.2: v1(25.1,41.75) 32.33,41.75 34.14,43.56 v1(35.95,43.56)
/I/O/CAN1_TX: length 15.3
  Top w0.2: v1(35.29,42.44) 35.58,42.72 U1.104 ; U10.1 24.68,39.27 v1(25.1,38.85)
  Bottom w0.2: v1(35.29,42.44) 33.94,42.44 30.35,38.85 v1(25.1,38.85)
/I/O/CAN2_RX: length 34.6
  Top w0.2: U9.4 24.53,34.33 v1(25.1,34.9) ; U1.135 52.28,40.57 51.4,41.45 49.9,41.45 v1(49.2,42.15)
  Bottom w0.2: v1(25.1,34.9) 25.3,35.1 42.7,35.1 49.2,41.6 v1(49.2,42.15)
/I/O/CAN2_TX: length 36.8
  Top w0.2: U1.136 52.78,41.17 51.8,42.15 v1(50.3,42.15) ; v1(25.1,31.8) 24.53,32.37 U9.1
  Bottom w0.2: v1(50.3,42.15) 50.3,41.43 41.21,32.34 25.64,32.34 v1(25.1,31.8)
/I/O/CAN.C+: length 20.3
  Top w0.2: U9.7 20,33.02 19.38,32.4 D11.2 17.01,31.04 ; R59.2 15.3,30.8 15.3,30.82 12.95,33.17 10.97,33.17 9.59,31.79 6.78,31.79 J5.7 5.98,31 4.02,31 J5.17
/I/O/CAN.C-: length 21.2
  Top w0.2: 20.4,33.58 20.9,33.58 U9.6 19.99,33.68 19.37,34.3 D11.1 17.01,35.66 R60.1 15.4,35.9 15.4,35.9 15.32,35.9 13.05,33.62 10.79,33.62 9.41,32.24 6.78,32.24 J5.8 5.97,33.05 4.03,33.05 J5.18
/I/O/CAN.F+: length 21.9
  Top w0.2: U10.7 19.97,39.92 19.35,39.3 D12.2 17.01,37.94 R65.2 15.4,37.7 15.4,37.7 15.22,37.7 12.9,40.02 11.59,40.02 7.36,35.79 6.77,35.79 J5.9 5.93,34.95 4.07,34.95 J5.19
/I/O/CAN.F-: length 21.9
  Top w0.2: U10.6 19.98,40.58 19.36,41.2 D12.1 17.01,42.56 R70.1 15.35,42.8 15.35,42.8 15.22,42.8 12.9,40.47 11.41,40.47 7.18,36.25 6.77,36.25 J5.10 5.98,37 4.02,37 J5.20
/I/O/IMD.LED.SIG: length 109.5
  Bottom w0.2: Q5.1 104.68,22.1 R64.1 102.83,22.22 101.11,20.51 98.12,20.51 95.91,18.3 69.35,18.3 62.96,24.69 14.24,24.69 11.57,22.02 5,22.02 J5.13
/I/O/IMD_LED_SCS: length 12.2
  Bottom w0.254: J9.2 102.06,17.35 108.95,17.35 110.55,18.95 Q3.3
/I/O/R2D.BUTTON.GND: length 100
  Bottom w0.2: J8.3 100.45,38.35 100.43,38.32 R74.2 92.24,38.32 89.77,35.85 89.72,35.85 81.26,27.39 11.48,27.39 9.11,25.02 J5.4
/I/O/R2D.LED.GND: length 101.6
  Bottom w0.2: J5.14 5,24.02 9.77,24.02 12.64,26.89 81.47,26.89 89.93,35.35 J8.4
/I/O/SPARE.BUTTON.GND: length 116.3
  Bottom w0.2: 22.32,29.43 80.35,29.43 94.32,43.4 94.32,57.95 97.2,60.82 97.28,60.75 J11.3 ; 22.43,29.43 7.86,29.43 7.45,29.02 J5.6
/I/O/SPARE.LED.GND: length 115.5
  Bottom w0.2: J5.16 5,28.02 7.76,28.02 8.67,28.93 80.56,28.93 94.83,43.19 94.83,53.95 98.62,57.75 J11.4
/I/O/TS.ON.BUTTON.GND: length 106.5
  Bottom w0.2: J5.5 8.06,27.02 9.44,28.4 80.74,28.4 97.25,44.91 R73.2 100.48,49.55 J6.3
/I/O/TS.ON.LED.GND: length 105.4
  Bottom w0.2: J5.15 5,26.02 8.61,26.02 10.49,27.9 81,27.9 99.67,46.56 J6.4
/I/O/TSAL.DASH.EXC: length 107.5
  Bottom w0.2: 106.9,12.47 107.2,12.47 104.83,14.85 70.94,14.85 61.85,23.94 15.23,23.94 12.31,21.02 J5.2
/I/O/TSAL.GREEN.DASH.LED.GND: length 103.3
  Bottom w0.2: J10.2 97.47,10.75 93.97,14.25 69.88,14.25 60.93,23.2 16.75,23.2 13.57,20.02 5,20.02 J5.12
/MCU/BOOT0: length 54.5
  Top w0.2: v2(89.55,50.75) 89.53,50.77 R9.1 ; U1.138 53.78,37.2 53.87,37.1 53.87,34.68 54.44,34.11 v1(54.6,34.11)
  Bottom w0.2: v2(89.55,50.75) 89.55,42.05 80.15,32.65 56,32.65 54.6,34.05 v1(54.6,34.11)
/MCU/BOOT1: length 25.6
  Top w0.2: v1(67.95,64.4) JP3.2 ; v1(51,62.05) 51.28,61.77 U1.48
  Bottom w0.2: v1(51,62.05) 50.35,62.7 50.35,64.65 52,66.3 66.05,66.3 v1(67.95,64.4)
/MCU/LCD_B2: length 3.1
  Top w0.2: U1.122 45.78,37.72 46.43,37.07 R17.1
/MCU/LCD_B3: length 6.5
  Top w0.2: R18.1 47.78,34.75 U1.126
/MCU/LCD_B4: length 4.7
  Top w0.2: U1.127 48.28,35.88 R19.1
/MCU/LCD_B5: length 4.7
  Top w0.127: 56.79,60.15 U1.37
  Top w0.2: 60.93,59.62 60.07,60.48 57.11,60.48 U1.37
/MCU/LCD_B6: length 6
  Top w0.2: 54.29,38.8 U1.139 54.28,35.35 R21.1
/MCU/LCD_B7: length 4.2
  Top w0.2: R22.1 56.08,35.38 54.78,36.67 U1.140
/MCU/LCD_DCLK: length 3
  Top w0.2: R23.1 35.05,48.72 U1.92
/MCU/LCD_DE: length 4.7
  Top w0.2: R29.1 60.33,49.3 60.33,50.46 59.56,51.22 U1.22
/MCU/LCD_DISP: length 3.5
  Top w0.2: U1.45 52.78,61.15 53.97,62.35 R25.1
/MCU/LCD_G2: length 3.5
  Top w0.2: U1.42 54.28,61.87 R8.1
/MCU/LCD_G3: length 8.4
  Top w0.2: U1.125 47.28,33.6 R10.1
/MCU/LCD_G4: length 4.2
  Top w0.2: 42.5,63.17 42.68,63.17 42.68,62.5 41.53,61.35 41.22,61.35 40.78,60.91 U1.69
/MCU/LCD_G5: length 3.4
  Top w0.2: U1.70 40.28,61.57 41.1,62.4 41.1,63.17
/MCU/LCD_G6: length 3.5
  Top w0.2: 34.58,44.5 34.65,44.5 36.38,46.22 U1.97
/MCU/LCD_G7: length 2.8
  Top w0.2: R16.1 U1.117
/MCU/LCD_HSYNC: length 3
  Top w0.2: R27.1 35.2,46.72 U1.96
/MCU/LCD_R2: length 5.1
  Top w0.2: U1.35 59.8,57.72 60.88,58.8 62.16,58.8 R2.1
/MCU/LCD_R3: length 3
  Top w0.2: U1.46 52.28,62.22 52.4,62.35 R3.1
/MCU/LCD_R4: length 4.3
  Top w0.2: U1.41 54.78,61.5 55.38,62.1 56.05,62.1 R4.1
/MCU/LCD_R5: length 3.4
  Top w0.2: R5.1 60.85,54.55 59.53,53.22 U1.26 58.74,53.18
/MCU/LCD_R6: length 3.3
  Top w0.2: U1.47 51.78,62.47 51.12,63.12
/MCU/LCD_R7: length 3.5
  Top w0.2: 34.58,50.8 34.58,50.71 36.06,49.22 U1.91
/MCU/LCD_VSYNC: length 5.3
  Top w0.2: R28.1 58.43,63.13 56.97,61.67 55.58,61.67 55.28,61.37 U1.40
/MCU/LCD_XL: length 18.5
  Top w0.2: 72.56,43.57 72.56,42.79 71.79,42.02 69.83,42.02 67.3,39.48 67.3,30.45 68.12,29.62 68.97,29.62
/MCU/LCD_XR: length 23
  Top w0.2: U3.2 68.29,28.32 66.5,30.12 66.5,39.81 71.4,44.72 73.3,44.72 73.56,44.45 73.56,43.57
/MCU/LCD_YD: length 17.7
  Top w0.2: 73.06,43.57 73.06,42.48 72.2,41.62 70,41.62 67.7,39.32 67.7,30.89 68.32,30.27 U3.5
/MCU/LCD_YU: length 19.1
  Top w0.2: 72.06,43.57 72.06,42.98 71.6,42.52 69.77,42.52 66.9,39.65 66.9,30.28 68.21,28.97 U3.3
/MCU/nRESET: length 129
  Top w0.127: v1(7.07,49.92) 7.07,50.97 J1.10 ; U1.25 60.04,52.72 61.06,53.75 61.95,53.75 62.3,54.1 62.3,55.05 62.6,55.35 83.16,55.35 SW1.1 ; R1.1 85.44,65.5 v1(85.44,66.38)
  Top w0.4: SW1.1 SW1.1 85.52,61.8 85.52,63.83 85.47,63.88 R1.1
  Bottom w0.127: v1(85.44,66.38) 84.47,67.35 32.7,67.35 25.4,60.05 10.84,60.05 7.07,56.28 v1(7.07,49.92)
/MCU/OSC_IN: length 4.5
  Top w0.2: U1.23 60.12,51.72 60.88,50.97 61.35,50.97 ; 61.7,49.9 C27.1 61.46,49.74 Y1.1
/MCU/OSC_OUT: length 3.1
  Top w0.2: R38.1 60.68,52.22 U1.24
/MCU/RAM_A0: length 23.5
  Top w0.125: v2(47.31,54.12) 47.5,53.93 47.5,52.47 49.97,50.01 51.17,50.01 54.06,47.11 arc(54.18,47.06) 54.3,47.11 arc(54.42,47.16) 54.54,47.11 54.73,46.93 arc(54.78,46.81) 54.73,46.69 54.33,46.28 arc(54.25,46.11) 54.33,45.94 54.41,45.86 arc(54.58,45.79) 54.75,45.86 55.15,46.26 arc(55.27,46.31) 55.39,46.26 55.58,46.08 arc(55.63,45.96) 55.58,45.84 arc(55.53,45.72) 55.58,45.6 55.95,45.22 U1.10
  Bottom w0.125: U2.23 42.45,55.27 46.12,55.27 47.28,54.12 v2(47.31,54.12)
/MCU/RAM_A1: length 24.5
  Top w0.125: U1.11 57.65,45.72 57.48,45.9 56.28,45.9 54.11,48.06 arc(54.01,48.11) 53.9,48.06 arc(53.79,48.02) 53.69,48.06 53.63,48.11 arc(53.59,48.22) 53.63,48.33 53.85,48.54 arc(53.89,48.65) 53.85,48.75 53.8,48.81 arc(53.69,48.85) 53.58,48.81 53.37,48.59 arc(53.26,48.55) 53.16,48.59 53.1,48.64 arc(53.06,48.75) 53.1,48.86 53.32,49.07 arc(53.36,49.18) 53.32,49.28 53.26,49.34 arc(53.16,49.38) 53.05,49.34 52.84,49.12 arc(52.73,49.08) 52.63,49.12 52.57,49.18 arc(52.53,49.28) 52.57,49.39 52.79,49.6 arc(52.83,49.71) 52.79,49.81 52.73,49.87 arc(52.63,49.91) 52.52,49.87 arc(52.42,49.82) 52.31,49.87 51.84,50.34 50.1,50.34 47.9,52.54 47.9,54.33 v2(47.31,54.92)
  Bottom w0.125: v2(47.31,54.92) 47.28,54.92 46.12,56.07 42.45,56.07 U2.24
